# KiCad board oibus-mini-CCC_PANEL.kicad_pcb (continued)
## Routing (per net, layer and track width the routed paths; a pad name or vN(x,y) marks a point on that pad's centre or on a via; arc(x,y) is an arc through that point) (continued)
/CAN_SILENT: length 503.9
  Top w0.2: v2(64.8,34.21) 62.92,34.21 61.89,33.18 U8#2.40 ; v2(66.68,31.62) 67.23,31.62 69.3,29.55 69.3,25.53 69.08,25.31 U7#2.8 ; v2(101.8,34.21) 99.92,34.21 98.89,33.18 U8#4.40 ; v2(103.68,31.62) 104.23,31.62 106.3,29.55 106.3,25.53 106.08,25.31 U7#4.8 ; v2(138.8,34.21) 136.92,34.21 135.89,33.18 U8#3.40 ; v2(140.68,31.62) 141.23,31.62 143.3,29.55 143.3,25.53 143.08,25.31 U7#3.8 ; v2(175.8,34.21) 173.92,34.21 172.89,33.18 U8#6.40 ; v2(177.68,31.62) 178.23,31.62 180.3,29.55 180.3,25.53 180.08,25.31 U7#6.8 ; v2(214.68,31.62) 215.23,31.62 217.3,29.55 217.3,25.53 217.08,25.31 U7#5.8 ; v2(212.8,34.21) 210.92,34.21 209.89,33.18 U8#5.40 ; v2(251.68,31.62) 252.23,31.62 254.3,29.55 254.3,25.53 254.08,25.31 U7#8.8 ; v2(249.8,34.21) 247.92,34.21 246.89,33.18 U8#7.40 ; v2(286.8,34.21) 284.92,34.21 283.89,33.18 U8#8.40 ; v2(288.68,31.62) 289.23,31.62 291.3,29.55 291.3,25.53 291.08,25.31 U7#7.8 ; v2(27.8,100.21) 25.92,100.21 24.89,99.18 U8#11.40 ; v2(29.68,97.62) 30.23,97.62 32.3,95.55 32.3,91.53 32.08,91.31 U7#10.8 ; v2(101.8,100.21) 99.92,100.21 98.89,99.18 U8#13.40 ; v2(103.68,97.62) 104.23,97.62 106.3,95.55 106.3,91.53 106.08,91.31 U7#14.8 ; v2(64.8,100.21) 62.92,100.21 61.89,99.18 U8#9.40 ; v2(66.68,97.62) 67.23,97.62 69.3,95.55 69.3,91.53 69.08,91.31 U7#9.8 ; v2(140.68,97.62) 141.23,97.62 143.3,95.55 143.3,91.53 143.08,91.31 U7#13.8 ; v2(138.8,100.21) 136.92,100.21 135.89,99.18 U8#10.40 ; v2(177.68,97.62) 178.23,97.62 180.3,95.55 180.3,91.53 180.08,91.31 U7#12.8 ; v2(175.8,100.21) 173.92,100.21 172.89,99.18 U8#12.40 ; v2(212.8,100.21) 210.92,100.21 209.89,99.18 U8#14.40 ; v2(214.68,97.62) 215.23,97.62 217.3,95.55 217.3,91.53 217.08,91.31 U7#11.8 ; v2(251.68,97.62) 252.23,97.62 254.3,95.55 254.3,91.53 254.08,91.31 U7#16.8 ; v2(288.68,97.62) 289.23,97.62 291.3,95.55 291.3,91.53 291.08,91.31 U7#15.8 ; v2(286.8,100.21) 284.92,100.21 283.89,99.18 U8#16.40 ; v2(249.8,100.21) 247.92,100.21 246.89,99.18 U8#15.40 ; v2(27.8,232.21) 25.92,232.21 24.89,231.18 U8#25.40 ; v2(29.68,229.62) 30.23,229.62 32.3,227.55 32.3,223.53 32.08,223.31 U7#24.8 ; v2(101.8,232.21) 99.92,232.21 98.89,231.18 U8#29.40 ; v2(103.68,229.62) 104.23,229.62 106.3,227.55 106.3,223.53 106.08,223.31 U7#30.8 ; v2(64.8,232.21) 62.92,232.21 61.89,231.18 U8#21.40 ; v2(66.68,229.62) 67.23,229.62 69.3,227.55 69.3,223.53 69.08,223.31 U7#23.8 ; v2(138.8,232.21) 136.92,232.21 135.89,231.18 U8#24.40 ; v2(140.68,229.62) 141.23,229.62 143.3,227.55 143.3,223.53 143.08,223.31 U7#29.8 ; v2(175.8,232.21) 173.92,232.21 172.89,231.18 U8#28.40 ; v2(177.68,229.62) 178.23,229.62 180.3,227.55 180.3,223.53 180.08,223.31 U7#28.8 ; v2(27.8,166.21) 25.92,166.21 24.89,165.18 U8#19.40 ; v2(29.68,163.62) 30.23,163.62 32.3,161.55 32.3,157.53 32.08,157.31 U7#18.8 ; v2(101.8,166.21) 99.92,166.21 98.89,165.18 U8#22.40 ; v2(103.68,163.62) 104.23,163.62 106.3,161.55 106.3,157.53 106.08,157.31 U7#22.8 ; v2(64.8,166.21) 62.92,166.21 61.89,165.18 U8#17.40 ; v2(66.68,163.62) 67.23,163.62 69.3,161.55 69.3,157.53 69.08,157.31 U7#17.8 ; v2(140.68,163.62) 141.23,163.62 143.3,161.55 143.3,157.53 143.08,157.31 U7#21.8 ; v2(138.8,166.21) 136.92,166.21 135.89,165.18 U8#18.40 ; v2(177.68,163.62) 178.23,163.62 180.3,161.55 180.3,157.53 180.08,157.31 U7#20.8 ; v2(175.8,166.21) 173.92,166.21 172.89,165.18 U8#20.40 ; v2(212.8,166.21) 210.92,166.21 209.89,165.18 U8#23.40 ; v2(214.68,163.62) 215.23,163.62 217.3,161.55 217.3,157.53 217.08,157.31 U7#19.8 ; v2(251.68,163.62) 252.23,163.62 254.3,161.55 254.3,157.53 254.08,157.31 U7#26.8 ; v2(288.68,163.62) 289.23,163.62 291.3,161.55 291.3,157.53 291.08,157.31 U7#25.8 ; v2(286.8,166.21) 284.92,166.21 283.89,165.18 U8#27.40 ; v2(249.8,166.21) 247.92,166.21 246.89,165.18 U8#26.40 ; v2(214.68,229.62) 215.23,229.62 217.3,227.55 217.3,223.53 217.08,223.31 U7#27.8 ; v2(212.8,232.21) 210.92,232.21 209.89,231.18 U8#30.40 ; v2(251.68,229.62) 252.23,229.62 254.3,227.55 254.3,223.53 254.08,223.31 U7#32.8 ; v2(249.8,232.21) 247.92,232.21 246.89,231.18 U8#31.40 ; v2(286.8,232.21) 284.92,232.21 283.89,231.18 U8#32.40 ; v2(288.68,229.62) 289.23,229.62 291.3,227.55 291.3,223.53 291.08,223.31 U7#31.8 ; U7.8 32.08,25.31 32.3,25.53 32.3,29.55 30.23,31.62 v2(29.68,31.62) ; U8.40 24.89,33.18 25.92,34.21 v2(27.8,34.21)
  Bottom w0.2: v2(64.8,34.21) 64.8,33.5 v2(66.68,31.62) ; v2(101.8,34.21) 101.8,33.5 v2(103.68,31.62) ; v2(138.8,34.21) 138.8,33.5 v2(140.68,31.62) ; v2(175.8,34.21) 175.8,33.5 v2(177.68,31.62) ; v2(214.68,31.62) 212.8,33.5 v2(212.8,34.21) ; v2(249.8,34.21) 249.8,33.5 v2(251.68,31.62) ; v2(286.8,34.21) 286.8,33.5 v2(288.68,31.62) ; v2(27.8,100.21) 27.8,99.5 v2(29.68,97.62) ; v2(101.8,100.21) 101.8,99.5 v2(103.68,97.62) ; v2(64.8,100.21) 64.8,99.5 v2(66.68,97.62) ; v2(140.68,97.62) 138.8,99.5 v2(138.8,100.21) ; v2(175.8,100.21) 175.8,99.5 v2(177.68,97.62) ; v2(212.8,100.21) 212.8,99.5 v2(214.68,97.62) ; v2(288.68,97.62) 286.8,99.5 v2(286.8,100.21) ; v2(249.8,100.21) 249.8,99.5 v2(251.68,97.62) ; v2(27.8,232.21) 27.8,231.5 v2(29.68,229.62) ; v2(101.8,232.21) 101.8,231.5 v2(103.68,229.62) ; v2(64.8,232.21) 64.8,231.5 v2(66.68,229.62) ; v2(138.8,232.21) 138.8,231.5 v2(140.68,229.62) ; v2(175.8,232.21) 175.8,231.5 v2(177.68,229.62) ; v2(27.8,166.21) 27.8,165.5 v2(29.68,163.62) ; v2(101.8,166.21) 101.8,165.5 v2(103.68,163.62) ; v2(64.8,166.21) 64.8,165.5 v2(66.68,163.62) ; v2(140.68,163.62) 138.8,165.5 v2(138.8,166.21) ; v2(175.8,166.21) 175.8,165.5 v2(177.68,163.62) ; v2(212.8,166.21) 212.8,165.5 v2(214.68,163.62) ; v2(288.68,163.62) 286.8,165.5 v2(286.8,166.21) ; v2(249.8,166.21) 249.8,165.5 v2(251.68,163.62) ; v2(214.68,229.62) 212.8,231.5 v2(212.8,232.21) ; v2(249.8,232.21) 249.8,231.5 v2(251.68,229.62) ; v2(286.8,232.21) 286.8,231.5 v2(288.68,229.62) ; v2(27.8,34.21) 27.8,33.5 v2(29.68,31.62)
/CAN_TX: length 259.6
  Top w0.2: U8#2.46 64.89,29.96 65.3,29.55 65.3,28.71 65.6,28.41 68.51,28.41 68.68,28.24 U7#2.1 ; U8#4.46 101.89,29.96 102.3,29.55 102.3,28.71 102.6,28.41 105.51,28.41 105.68,28.24 U7#4.1 ; U8#3.46 138.89,29.96 139.3,29.55 139.3,28.71 139.6,28.41 142.51,28.41 142.68,28.24 U7#3.1 ; U8#6.46 175.89,29.96 176.3,29.55 176.3,28.71 176.6,28.41 179.51,28.41 179.68,28.24 U7#6.1 ; U8#5.46 212.89,29.96 213.3,29.55 213.3,28.71 213.6,28.41 216.51,28.41 216.68,28.24 U7#5.1 ; U8#7.46 249.89,29.96 250.3,29.55 250.3,28.71 250.6,28.41 253.51,28.41 253.68,28.24 U7#8.1 ; U8#8.46 286.89,29.96 287.3,29.55 287.3,28.71 287.6,28.41 290.51,28.41 290.68,28.24 U7#7.1 ; U8#11.46 27.89,95.96 28.3,95.55 28.3,94.71 28.6,94.41 31.51,94.41 31.68,94.24 U7#10.1 ; U8#13.46 101.89,95.96 102.3,95.55 102.3,94.71 102.6,94.41 105.51,94.41 105.68,94.24 U7#14.1 ; U8#9.46 64.89,95.96 65.3,95.55 65.3,94.71 65.6,94.41 68.51,94.41 68.68,94.24 U7#9.1 ; U8#10.46 138.89,95.96 139.3,95.55 139.3,94.71 139.6,94.41 142.51,94.41 142.68,94.24 U7#13.1 ; U8#12.46 175.89,95.96 176.3,95.55 176.3,94.71 176.6,94.41 179.51,94.41 179.68,94.24 U7#12.1 ; U8#14.46 212.89,95.96 213.3,95.55 213.3,94.71 213.6,94.41 216.51,94.41 216.68,94.24 U7#11.1 ; U8#15.46 249.89,95.96 250.3,95.55 250.3,94.71 250.6,94.41 253.51,94.41 253.68,94.24 U7#16.1 ; U8#16.46 286.89,95.96 287.3,95.55 287.3,94.71 287.6,94.41 290.51,94.41 290.68,94.24 U7#15.1 ; U8#25.46 27.89,227.96 28.3,227.55 28.3,226.71 28.6,226.41 31.51,226.41 31.68,226.24 U7#24.1 ; U8#29.46 101.89,227.96 102.3,227.55 102.3,226.71 102.6,226.41 105.51,226.41 105.68,226.24 U7#30.1 ; U8#21.46 64.89,227.96 65.3,227.55 65.3,226.71 65.6,226.41 68.51,226.41 68.68,226.24 U7#23.1 ; U8#24.46 138.89,227.96 139.3,227.55 139.3,226.71 139.6,226.41 142.51,226.41 142.68,226.24 U7#29.1 ; U8#28.46 175.89,227.96 176.3,227.55 176.3,226.71 176.6,226.41 179.51,226.41 179.68,226.24 U7#28.1 ; U8#19.46 27.89,161.96 28.3,161.55 28.3,160.71 28.6,160.41 31.51,160.41 31.68,160.24 U7#18.1 ; U8#22.46 101.89,161.96 102.3,161.55 102.3,160.71 102.6,160.41 105.51,160.41 105.68,160.24 U7#22.1 ; U8#17.46 64.89,161.96 65.3,161.55 65.3,160.71 65.6,160.41 68.51,160.41 68.68,160.24 U7#17.1 ; U8#18.46 138.89,161.96 139.3,161.55 139.3,160.71 139.6,160.41 142.51,160.41 142.68,160.24 U7#21.1 ; U8#20.46 175.89,161.96 176.3,161.55 176.3,160.71 176.6,160.41 179.51,160.41 179.68,160.24 U7#20.1 ; U8#23.46 212.89,161.96 213.3,161.55 213.3,160.71 213.6,160.41 216.51,160.41 216.68,160.24 U7#19.1 ; U8#26.46 249.89,161.96 250.3,161.55 250.3,160.71 250.6,160.41 253.51,160.41 253.68,160.24 U7#26.1 ; U8#27.46 286.89,161.96 287.3,161.55 287.3,160.71 287.6,160.41 290.51,160.41 290.68,160.24 U7#25.1 ; U8#30.46 212.89,227.96 213.3,227.55 213.3,226.71 213.6,226.41 216.51,226.41 216.68,226.24 U7#27.1 ; U8#31.46 249.89,227.96 250.3,227.55 250.3,226.71 250.6,226.41 253.51,226.41 253.68,226.24 U7#32.1 ; U8#32.46 286.89,227.96 287.3,227.55 287.3,226.71 287.6,226.41 290.51,226.41 290.68,226.24 U7#31.1 ; U7.1 31.68,28.24 31.51,28.41 28.6,28.41 28.3,28.71 28.3,29.55 27.89,29.96 U8.46
/GPS_TIME: length 1063.9
  Top w0.2: v2(56.7,43.81) 56.8,43.71 61.47,43.71 62.39,42.78 U8#2.20 ; v2(53.7,43.81) 53.7,44.33 52.02,46.01 50,46.01 47,43.01 v2(47,40.31) ; v2(45.15,39.82) 42.09,39.82 39.3,42.61 U2#2.7 ; v2(93.7,43.81) 93.8,43.71 98.47,43.71 99.39,42.78 U8#4.20 ; v2(90.7,43.81) 90.7,44.33 89.02,46.01 87,46.01 84,43.01 v2(84,40.31) ; v2(82.15,39.82) 79.09,39.82 76.3,42.61 U2#3.7 ; v2(130.7,43.81) 130.8,43.71 135.47,43.71 136.39,42.78 U8#3.20 ; v2(127.7,43.81) 127.7,44.33 126.02,46.01 124,46.01 121,43.01 v2(121,40.31) ; v2(119.15,39.82) 116.09,39.82 113.3,42.61 U2#4.7 ; v2(204.7,43.81) 204.8,43.71 209.47,43.71 210.39,42.78 U8#5.20 ; v2(201.7,43.81) 201.7,44.33 200.02,46.01 198,46.01 195,43.01 v2(195,40.31) ; v2(193.15,39.82) 190.09,39.82 187.3,42.61 U2#5.7 ; v2(167.7,43.81) 167.8,43.71 172.47,43.71 173.39,42.78 U8#6.20 ; v2(164.7,43.81) 164.7,44.33 163.02,46.01 161,46.01 158,43.01 v2(158,40.31) ; v2(156.15,39.82) 153.09,39.82 150.3,42.61 U2#6.7 ; v2(278.7,43.81) 278.8,43.71 283.47,43.71 284.39,42.78 U8#8.20 ; v2(275.7,43.81) 275.7,44.33 274.02,46.01 272,46.01 269,43.01 v2(269,40.31) ; v2(267.15,39.82) 264.09,39.82 261.3,42.61 U2#8.7 ; v2(241.7,43.81) 241.8,43.71 246.47,43.71 247.39,42.78 U8#7.20 ; v2(238.7,43.81) 238.7,44.33 237.02,46.01 235,46.01 232,43.01 v2(232,40.31) ; v2(230.15,39.82) 227.09,39.82 224.3,42.61 U2#7.7 ; v2(19.7,109.81) 19.8,109.71 24.47,109.71 25.39,108.78 U8#11.20 ; v2(16.7,109.81) 16.7,110.33 15.02,112.01 13,112.01 10,109.01 v2(10,106.31) ; v2(8.15,105.82) 5.09,105.82 2.3,108.61 U2#9.7 ; v2(130.7,109.81) 130.8,109.71 135.47,109.71 136.39,108.78 U8#10.20 ; v2(127.7,109.81) 127.7,110.33 126.02,112.01 124,112.01 121,109.01 v2(121,106.31) ; v2(119.15,105.82) 116.09,105.82 113.3,108.61 U2#11.7 ; v2(56.7,109.81) 56.8,109.71 61.47,109.71 62.39,108.78 U8#9.20 ; v2(53.7,109.81) 53.7,110.33 52.02,112.01 50,112.01 47,109.01 v2(47,106.31) ; v2(45.15,105.82) 42.09,105.82 39.3,108.61 U2#12.7 ; v2(93.7,109.81) 93.8,109.71 98.47,109.71 99.39,108.78 U8#13.20 ; v2(90.7,109.81) 90.7,110.33 89.02,112.01 87,112.01 84,109.01 v2(84,106.31) ; v2(82.15,105.82) 79.09,105.82 76.3,108.61 U2#13.7 ; v2(204.7,109.81) 204.8,109.71 209.47,109.71 210.39,108.78 U8#14.20 ; v2(201.7,109.81) 201.7,110.33 200.02,112.01 198,112.01 195,109.01 v2(195,106.31) ; v2(193.15,105.82) 190.09,105.82 187.3,108.61 U2#14.7 ; v2(167.7,109.81) 167.8,109.71 172.47,109.71 173.39,108.78 U8#12.20 ; v2(164.7,109.81) 164.7,110.33 163.02,112.01 161,112.01 158,109.01 v2(158,106.31) ; v2(156.15,105.82) 153.09,105.82 150.3,108.61 U2#10.7 ; v2(278.7,109.81) 278.8,109.71 283.47,109.71 284.39,108.78 U8#16.20 ; v2(275.7,109.81) 275.7,110.33 274.02,112.01 272,112.01 269,109.01 v2(269,106.31) ; v2(267.15,105.82) 264.09,105.82 261.3,108.61 U2#16.7 ; v2(241.7,109.81) 241.8,109.71 246.47,109.71 247.39,108.78 U8#15.20 ; v2(238.7,109.81) 238.7,110.33 237.02,112.01 235,112.01 232,109.01 v2(232,106.31) ; v2(230.15,105.82) 227.09,105.82 224.3,108.61 U2#15.7 ; v2(19.7,241.81) 19.8,241.71 24.47,241.71 25.39,240.78 U8#25.20 ; v2(16.7,241.81) 16.7,242.33 15.02,244.01 13,244.01 10,241.01 v2(10,238.31) ; v2(8.15,237.82) 5.09,237.82 2.3,240.61 U2#23.7 ; v2(56.7,241.81) 56.8,241.71 61.47,241.71 62.39,240.78 U8#21.20 ; v2(53.7,241.81) 53.7,242.33 52.02,244.01 50,244.01 47,241.01 v2(47,238.31) ; v2(45.15,237.82) 42.09,237.82 39.3,240.61 U2#28.7 ; v2(121,238.31) 121,241.01 124,244.01 126.02,244.01 127.7,242.33 v2(127.7,241.81) ; v2(119.15,237.82) 116.09,237.82 113.3,240.61 U2#27.7 ; v2(130.7,241.81) 130.8,241.71 135.47,241.71 136.39,240.78 U8#24.20 ; v2(93.7,241.81) 93.8,241.71 98.47,241.71 99.39,240.78 U8#29.20 ; v2(90.7,241.81) 90.7,242.33 89.02,244.01 87,244.01 84,241.01 v2(84,238.31) ; v2(82.15,237.82) 79.09,237.82 76.3,240.61 U2#29.7 ; v2(204.7,241.81) 204.8,241.71 209.47,241.71 210.39,240.78 U8#30.20 ; v2(201.7,241.81) 201.7,242.33 200.02,244.01 198,244.01 195,241.01 v2(195,238.31) ; v2(193.15,237.82) 190.09,237.82 187.3,240.61 U2#30.7 ; v2(19.7,175.81) 19.8,175.71 24.47,175.71 25.39,174.78 U8#19.20 ; v2(16.7,175.81) 16.7,176.33 15.02,178.01 13,178.01 10,175.01 v2(10,172.31) ; v2(8.15,171.82) 5.09,171.82 2.3,174.61 U2#17.7 ; v2(130.7,175.81) 130.8,175.71 135.47,175.71 136.39,174.78 U8#18.20 ; v2(127.7,175.81) 127.7,176.33 126.02,178.01 124,178.01 121,175.01 v2(121,172.31) ; v2(119.15,171.82) 116.09,171.82 113.3,174.61 U2#19.7 ; v2(56.7,175.81) 56.8,175.71 61.47,175.71 62.39,174.78 U8#17.20 ; v2(53.7,175.81) 53.7,176.33 52.02,178.01 50,178.01 47,175.01 v2(47,172.31) ; v2(45.15,171.82) 42.09,171.82 39.3,174.61 U2#20.7 ; v2(93.7,175.81) 93.8,175.71 98.47,175.71 99.39,174.78 U8#22.20 ; v2(90.7,175.81) 90.7,176.33 89.02,178.01 87,178.01 84,175.01 v2(84,172.31) ; v2(82.15,171.82) 79.09,171.82 76.3,174.61 U2#21.7 ; v2(204.7,175.81) 204.8,175.71 209.47,175.71 210.39,174.78 U8#23.20 ; v2(201.7,175.81) 201.7,176.33 200.02,178.01 198,178.01 195,175.01 v2(195,172.31) ; v2(193.15,171.82) 190.09,171.82 187.3,174.61 U2#22.7 ; v2(167.7,175.81) 167.8,175.71 172.47,175.71 173.39,174.78 U8#20.20 ; v2(164.7,175.81) 164.7,176.33 163.02,178.01 161,178.01 158,175.01 v2(158,172.31) ; v2(156.15,171.82) 153.09,171.82 150.3,174.61 U2#18.7 ; v2(278.7,175.81) 278.8,175.71 283.47,175.71 284.39,174.78 U8#27.20 ; v2(275.7,175.81) 275.7,176.33 274.02,178.01 272,178.01 269,175.01 v2(269,172.31) ; v2(267.15,171.82) 264.09,171.82 261.3,174.61 U2#25.7 ; v2(241.7,175.81) 241.8,175.71 246.47,175.71 247.39,174.78 U8#26.20 ; v2(238.7,175.81) 238.7,176.33 237.02,178.01 235,178.01 232,175.01 v2(232,172.31) ; v2(230.15,171.82) 227.09,171.82 224.3,174.61 U2#24.7 ; v2(167.7,241.81) 167.8,241.71 172.47,241.71 173.39,240.78 U8#28.20 ; v2(164.7,241.81) 164.7,242.33 163.02,244.01 161,244.01 158,241.01 v2(158,238.31) ; v2(156.15,237.82) 153.09,237.82 150.3,240.61 U2#26.7 ; v2(278.7,241.81) 278.8,241.71 283.47,241.71 284.39,240.78 U8#32.20 ; v2(275.7,241.81) 275.7,242.33 274.02,244.01 272,244.01 269,241.01 v2(269,238.31) ; v2(267.15,237.82) 264.09,237.82 261.3,240.61 U2#32.7 ; v2(241.7,241.81) 241.8,241.71 246.47,241.71 247.39,240.78 U8#31.20 ; v2(238.7,241.81) 238.7,242.33 237.02,244.01 235,244.01 232,241.01 v2(232,238.31) ; v2(230.15,237.82) 227.09,237.82 224.3,240.61 U2#31.7 ; v2(10,40.31) 10,43.01 13,46.01 15.02,46.01 16.7,44.33 v2(16.7,43.81) ; U8.20 25.39,42.78 24.47,43.71 19.8,43.71 v2(19.7,43.81) ; U2.7 2.3,42.61 5.09,39.82 v2(8.15,39.82)
  Bottom w0.2: v2(56.7,43.81) v2(53.7,43.81) ; v2(45.15,39.82) 46.51,39.82 v2(47,40.31) ; v2(93.7,43.81) v2(90.7,43.81) ; v2(82.15,39.82) 83.51,39.82 v2(84,40.31) ; v2(130.7,43.81) v2(127.7,43.81) ; v2(119.15,39.82) 120.51,39.82 v2(121,40.31) ; v2(204.7,43.81) v2(201.7,43.81) ; v2(193.15,39.82) 194.51,39.82 v2(195,40.31) ; v2(167.7,43.81) v2(164.7,43.81) ; v2(156.15,39.82) 157.51,39.82 v2(158,40.31) ; v2(278.7,43.81) v2(275.7,43.81) ; v2(267.15,39.82) 268.51,39.82 v2(269,40.31) ; v2(241.7,43.81) v2(238.7,43.81) ; v2(230.15,39.82) 231.51,39.82 v2(232,40.31) ; v2(19.7,109.81) v2(16.7,109.81) ; v2(8.15,105.82) 9.51,105.82 v2(10,106.31) ; v2(130.7,109.81) v2(127.7,109.81) ; v2(119.15,105.82) 120.51,105.82 v2(121,106.31) ; v2(56.7,109.81) v2(53.7,109.81) ; v2(45.15,105.82) 46.51,105.82 v2(47,106.31) ; v2(93.7,109.81) v2(90.7,109.81) ; v2(82.15,105.82) 83.51,105.82 v2(84,106.31) ; v2(204.7,109.81) v2(201.7,109.81) ; v2(193.15,105.82) 194.51,105.82 v2(195,106.31) ; v2(167.7,109.81) v2(164.7,109.81) ; v2(156.15,105.82) 157.51,105.82 v2(158,106.31) ; v2(278.7,109.81) v2(275.7,109.81) ; v2(267.15,105.82) 268.51,105.82 v2(269,106.31) ; v2(241.7,109.81) v2(238.7,109.81) ; v2(230.15,105.82) 231.51,105.82 v2(232,106.31) ; v2(19.7,241.81) v2(16.7,241.81) ; v2(8.15,237.82) 9.51,237.82 v2(10,238.31) ; v2(56.7,241.81) v2(53.7,241.81) ; v2(45.15,237.82) 46.51,237.82 v2(47,238.31) ; v2(119.15,237.82) 120.51,237.82 v2(121,238.31) ; v2(130.7,241.81) v2(127.7,241.81) ; v2(93.7,241.81) v2(90.7,241.81) ; v2(82.15,237.82) 83.51,237.82 v2(84,238.31) ; v2(204.7,241.81) v2(201.7,241.81) ; v2(193.15,237.82) 194.51,237.82 v2(195,238.31) ; v2(19.7,175.81) v2(16.7,175.81) ; v2(8.15,171.82) 9.51,171.82 v2(10,172.31) ; v2(130.7,175.81) v2(127.7,175.81) ; v2(119.15,171.82) 120.51,171.82 v2(121,172.31) ; v2(56.7,175.81) v2(53.7,175.81) ; v2(45.15,171.82) 46.51,171.82 v2(47,172.31) ; v2(93.7,175.81) v2(90.7,175.81) ; v2(82.15,171.82) 83.51,171.82 v2(84,172.31) ; v2(204.7,175.81) v2(201.7,175.81) ; v2(193.15,171.82) 194.51,171.82 v2(195,172.31) ; v2(167.7,175.81) v2(164.7,175.81) ; v2(156.15,171.82) 157.51,171.82 v2(158,172.31) ; v2(278.7,175.81) v2(275.7,175.81) ; v2(267.15,171.82) 268.51,171.82 v2(269,172.31) ; v2(241.7,175.81) v2(238.7,175.81) ; v2(230.15,171.82) 231.51,171.82 v2(232,172.31) ; v2(167.7,241.81) v2(164.7,241.81) ; v2(156.15,237.82) 157.51,237.82 v2(158,238.31) ; v2(278.7,241.81) v2(275.7,241.81) ; v2(267.15,237.82) 268.51,237.82 v2(269,238.31) ; v2(241.7,241.81) v2(238.7,241.81) ; v2(230.15,237.82) 231.51,237.82 v2(232,238.31) ; v2(19.7,43.81) v2(16.7,43.81) ; v2(10,40.31) 9.51,39.82 v2(8.15,39.82)
/GREEN: length 682.5
  Top w0.2: v2(69.98,48.77) 69.98,49.4 70.2,49.62 70.2,54.83 71.4,56.03 R16#2.1 ; U8#2.19 62.89,45.2 v2(62.88,45.21) ; v2(106.98,48.77) 106.98,49.4 107.2,49.62 107.2,54.83 108.4,56.03 R16#3.1 ; U8#4.19 99.89,45.2 v2(99.88,45.21) ; v2(143.98,48.77) 143.98,49.4 144.2,49.62 144.2,54.83 145.4,56.03 R16#4.1 ; U8#3.19 136.89,45.2 v2(136.88,45.21) ; v2(217.98,48.77) 217.98,49.4 218.2,49.62 218.2,54.83 219.4,56.03 R16#6.1 ; U8#5.19 210.89,45.2 v2(210.88,45.21) ; v2(180.98,48.77) 180.98,49.4 181.2,49.62 181.2,54.83 182.4,56.03 R16#5.1 ; U8#6.19 173.89,45.2 v2(173.88,45.21) ; v2(291.98,48.77) 291.98,49.4 292.2,49.62 292.2,54.83 293.4,56.03 R16#7.1 ; U8#8.19 284.89,45.2 v2(284.88,45.21) ; v2(254.98,48.77) 254.98,49.4 255.2,49.62 255.2,54.83 256.4,56.03 R16#8.1 ; U8#7.19 247.89,45.2 v2(247.88,45.21) ; v2(32.98,114.77) 32.98,115.4 33.2,115.62 33.2,120.83 34.4,122.03 R16#9.1 ; U8#11.19 25.89,111.2 v2(25.88,111.21) ; v2(143.98,114.77) 143.98,115.4 144.2,115.62 144.2,120.83 145.4,122.03 R16#12.1 ; U8#10.19 136.89,111.2 v2(136.88,111.21) ; v2(69.98,114.77) 69.98,115.4 70.2,115.62 70.2,120.83 71.4,122.03 R16#13.1 ; U8#9.19 62.89,111.2 v2(62.88,111.21) ; v2(106.98,114.77) 106.98,115.4 107.2,115.62 107.2,120.83 108.4,122.03 R16#11.1 ; U8#13.19 99.89,111.2 v2(99.88,111.21) ; v2(217.98,114.77) 217.98,115.4 218.2,115.62 218.2,120.83 219.4,122.03 R16#10.1 ; U8#14.19 210.89,111.2 v2(210.88,111.21) ; v2(180.98,114.77) 180.98,115.4 181.2,115.62 181.2,120.83 182.4,122.03 R16#14.1 ; U8#12.19 173.89,111.2 v2(173.88,111.21) ; v2(291.98,114.77) 291.98,115.4 292.2,115.62 292.2,120.83 293.4,122.03 R16#15.1 ; U8#16.19 284.89,111.2 v2(284.88,111.21) ; v2(254.98,114.77) 254.98,115.4 255.2,115.62 255.2,120.83 256.4,122.03 R16#16.1 ; U8#15.19 247.89,111.2 v2(247.88,111.21) ; v2(32.98,246.77) 32.98,247.4 33.2,247.62 33.2,252.83 34.4,254.03 R16#24.1 ; U8#25.19 25.89,243.2 v2(25.88,243.21) ; v2(69.98,246.77) 69.98,247.4 70.2,247.62 70.2,252.83 71.4,254.03 R16#29.1 ; U8#21.19 62.89,243.2 v2(62.88,243.21) ; v2(143.98,246.77) 143.98,247.4 144.2,247.62 144.2,252.83 145.4,254.03 R16#28.1 ; U8#24.19 136.89,243.2 v2(136.88,243.21) ; v2(106.98,246.77) 106.98,247.4 107.2,247.62 107.2,252.83 108.4,254.03 R16#27.1 ; U8#29.19 99.89,243.2 v2(99.88,243.21) ; v2(217.98,246.77) 217.98,247.4 218.2,247.62 218.2,252.83 219.4,254.03 R16#26.1 ; U8#30.19 210.89,243.2 v2(210.88,243.21) ; v2(32.98,180.77) 32.98,181.4 33.2,181.62 33.2,186.83 34.4,188.03 R16#17.1 ; U8#19.19 25.89,177.2 v2(25.88,177.21) ; v2(143.98,180.77) 143.98,181.4 144.2,181.62 144.2,186.83 145.4,188.03 R16#20.1 ; U8#18.19 136.89,177.2 v2(136.88,177.21) ; v2(69.98,180.77) 69.98,181.4 70.2,181.62 70.2,186.83 71.4,188.03 R16#21.1 ; U8#17.19 62.89,177.2 v2(62.88,177.21) ; v2(106.98,180.77) 106.98,181.4 107.2,181.62 107.2,186.83 108.4,188.03 R16#19.1 ; U8#22.19 99.89,177.2 v2(99.88,177.21) ; v2(217.98,180.77) 217.98,181.4 218.2,181.62 218.2,186.83 219.4,188.03 R16#18.1 ; U8#23.19 210.89,177.2 v2(210.88,177.21) ; v2(180.98,180.77) 180.98,181.4 181.2,181.62 181.2,186.83 182.4,188.03 R16#22.1 ; U8#20.19 173.89,177.2 v2(173.88,177.21) ; v2(291.98,180.77) 291.98,181.4 292.2,181.62 292.2,186.83 293.4,188.03 R16#23.1 ; U8#27.19 284.89,177.2 v2(284.88,177.21) ; v2(254.98,180.77) 254.98,181.4 255.2,181.62 255.2,186.83 256.4,188.03 R16#25.1 ; U8#26.19 247.89,177.2 v2(247.88,177.21) ; v2(180.98,246.77) 180.98,247.4 181.2,247.62 181.2,252.83 182.4,254.03 R16#30.1 ; U8#28.19 173.89,243.2 v2(173.88,243.21) ; v2(291.98,246.77) 291.98,247.4 292.2,247.62 292.2,252.83 293.4,254.03 R16#31.1 ; U8#32.19 284.89,243.2 v2(284.88,243.21) ; v2(254.98,246.77) 254.98,247.4 255.2,247.62 255.2,252.83 256.4,254.03 R16#32.1 ; U8#31.19 247.89,243.2 v2(247.88,243.21) ; U8.19 25.89,45.2 v2(25.88,45.21) ; R16.1 34.4,56.03 33.2,54.83 33.2,49.62 32.98,49.4 v2(32.98,48.77)
  Bottom w0.2: v2(62.88,45.21) 65.08,47.41 68.62,47.41 v2(69.98,48.77) ; v2(99.88,45.21) 102.08,47.41 105.62,47.41 v2(106.98,48.77) ; v2(136.88,45.21) 139.08,47.41 142.62,47.41 v2(143.98,48.77) ; v2(210.88,45.21) 213.08,47.41 216.62,47.41 v2(217.98,48.77) ; v2(173.88,45.21) 176.08,47.41 179.62,47.41 v2(180.98,48.77) ; v2(284.88,45.21) 287.08,47.41 290.62,47.41 v2(291.98,48.77) ; v2(247.88,45.21) 250.08,47.41 253.62,47.41 v2(254.98,48.77) ; v2(25.88,111.21) 28.08,113.41 31.62,113.41 v2(32.98,114.77) ; v2(136.88,111.21) 139.08,113.41 142.62,113.41 v2(143.98,114.77) ; v2(62.88,111.21) 65.08,113.41 68.62,113.41 v2(69.98,114.77) ; v2(99.88,111.21) 102.08,113.41 105.62,113.41 v2(106.98,114.77) ; v2(210.88,111.21) 213.08,113.41 216.62,113.41 v2(217.98,114.77) ; v2(173.88,111.21) 176.08,113.41 179.62,113.41 v2(180.98,114.77) ; v2(284.88,111.21) 287.08,113.41 290.62,113.41 v2(291.98,114.77) ; v2(247.88,111.21) 250.08,113.41 253.62,113.41 v2(254.98,114.77) ; v2(25.88,243.21) 28.08,245.41 31.62,245.41 v2(32.98,246.77) ; v2(62.88,243.21) 65.08,245.41 68.62,245.41 v2(69.98,246.77) ; v2(136.88,243.21) 139.08,245.41 142.62,245.41 v2(143.98,246.77) ; v2(99.88,243.21) 102.08,245.41 105.62,245.41 v2(106.98,246.77) ; v2(210.88,243.21) 213.08,245.41 216.62,245.41 v2(217.98,246.77) ; v2(25.88,177.21) 28.08,179.41 31.62,179.41 v2(32.98,180.77) ; v2(136.88,177.21) 139.08,179.41 142.62,179.41 v2(143.98,180.77) ; v2(62.88,177.21) 65.08,179.41 68.62,179.41 v2(69.98,180.77) ; v2(99.88,177.21) 102.08,179.41 105.62,179.41 v2(106.98,180.77) ; v2(210.88,177.21) 213.08,179.41 216.62,179.41 v2(217.98,180.77) ; v2(173.88,177.21) 176.08,179.41 179.62,179.41 v2(180.98,180.77) ; v2(284.88,177.21) 287.08,179.41 290.62,179.41 v2(291.98,180.77) ; v2(247.88,177.21) 250.08,179.41 253.62,179.41 v2(254.98,180.77) ; v2(173.88,243.21) 176.08,245.41 179.62,245.41 v2(180.98,246.77) ; v2(284.88,243.21) 287.08,245.41 290.62,245.41 v2(291.98,246.77) ; v2(247.88,243.21) 250.08,245.41 253.62,245.41 v2(254.98,246.77) ; v2(25.88,45.21) 28.08,47.41 31.62,47.41 v2(32.98,48.77)
